# KiCad board gopher_pilot_xiao_sw.kicad_pcb
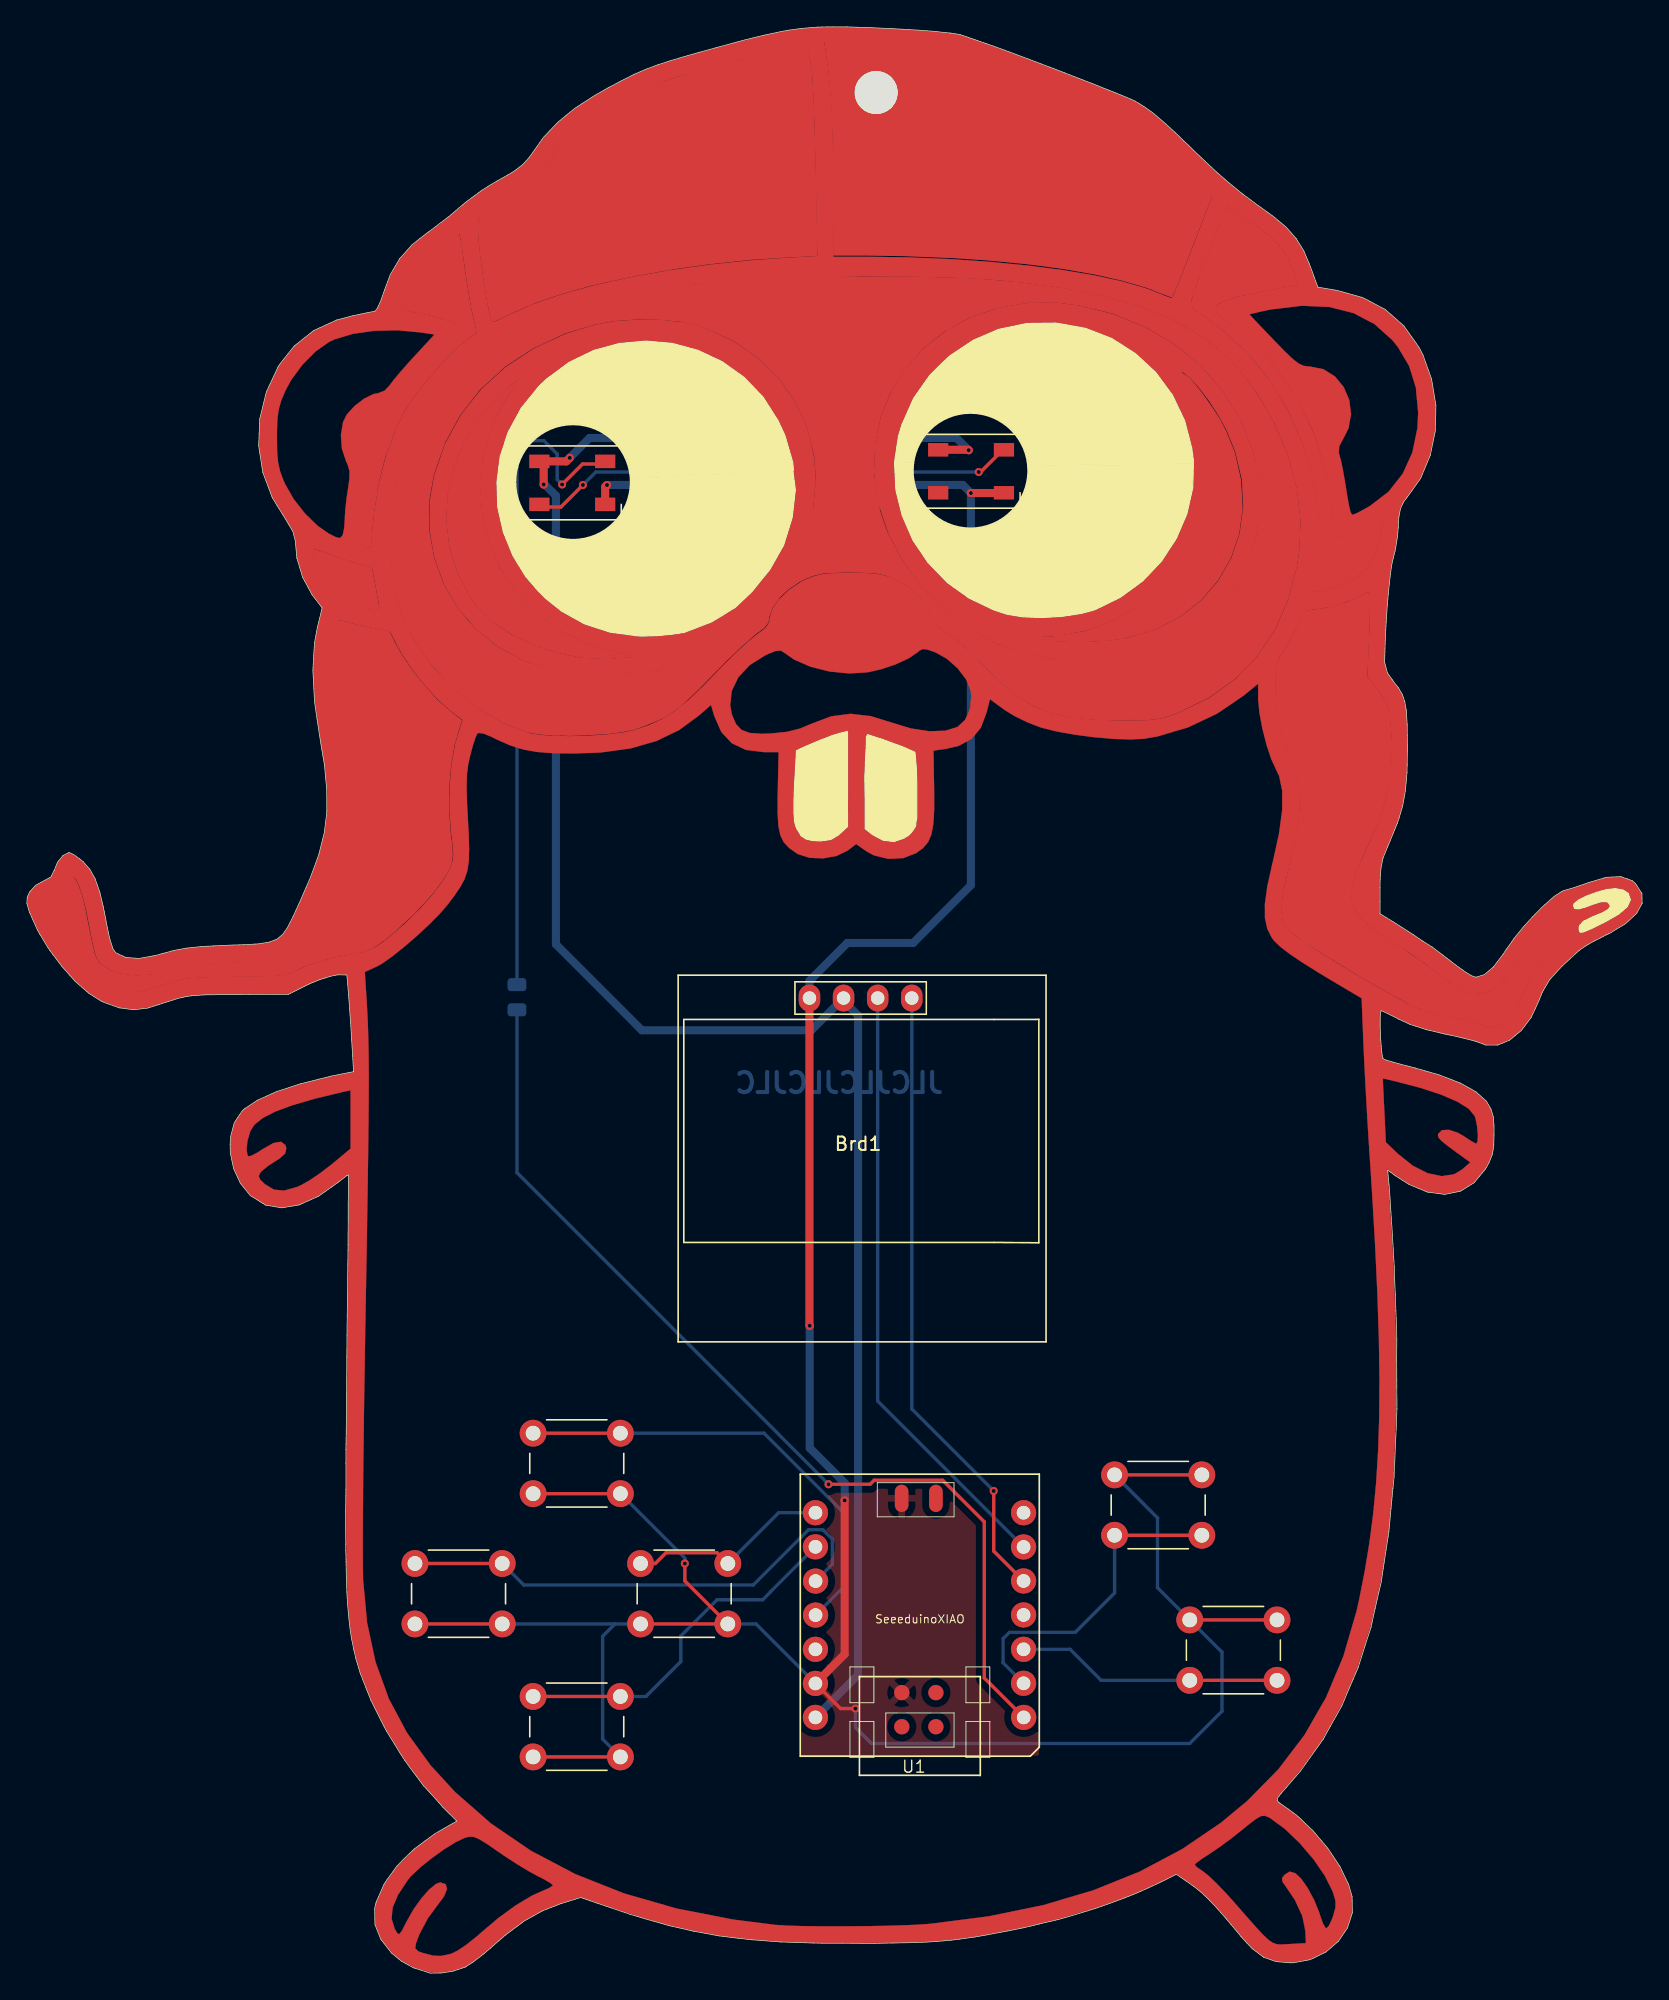
[diagram p0: board, top side]
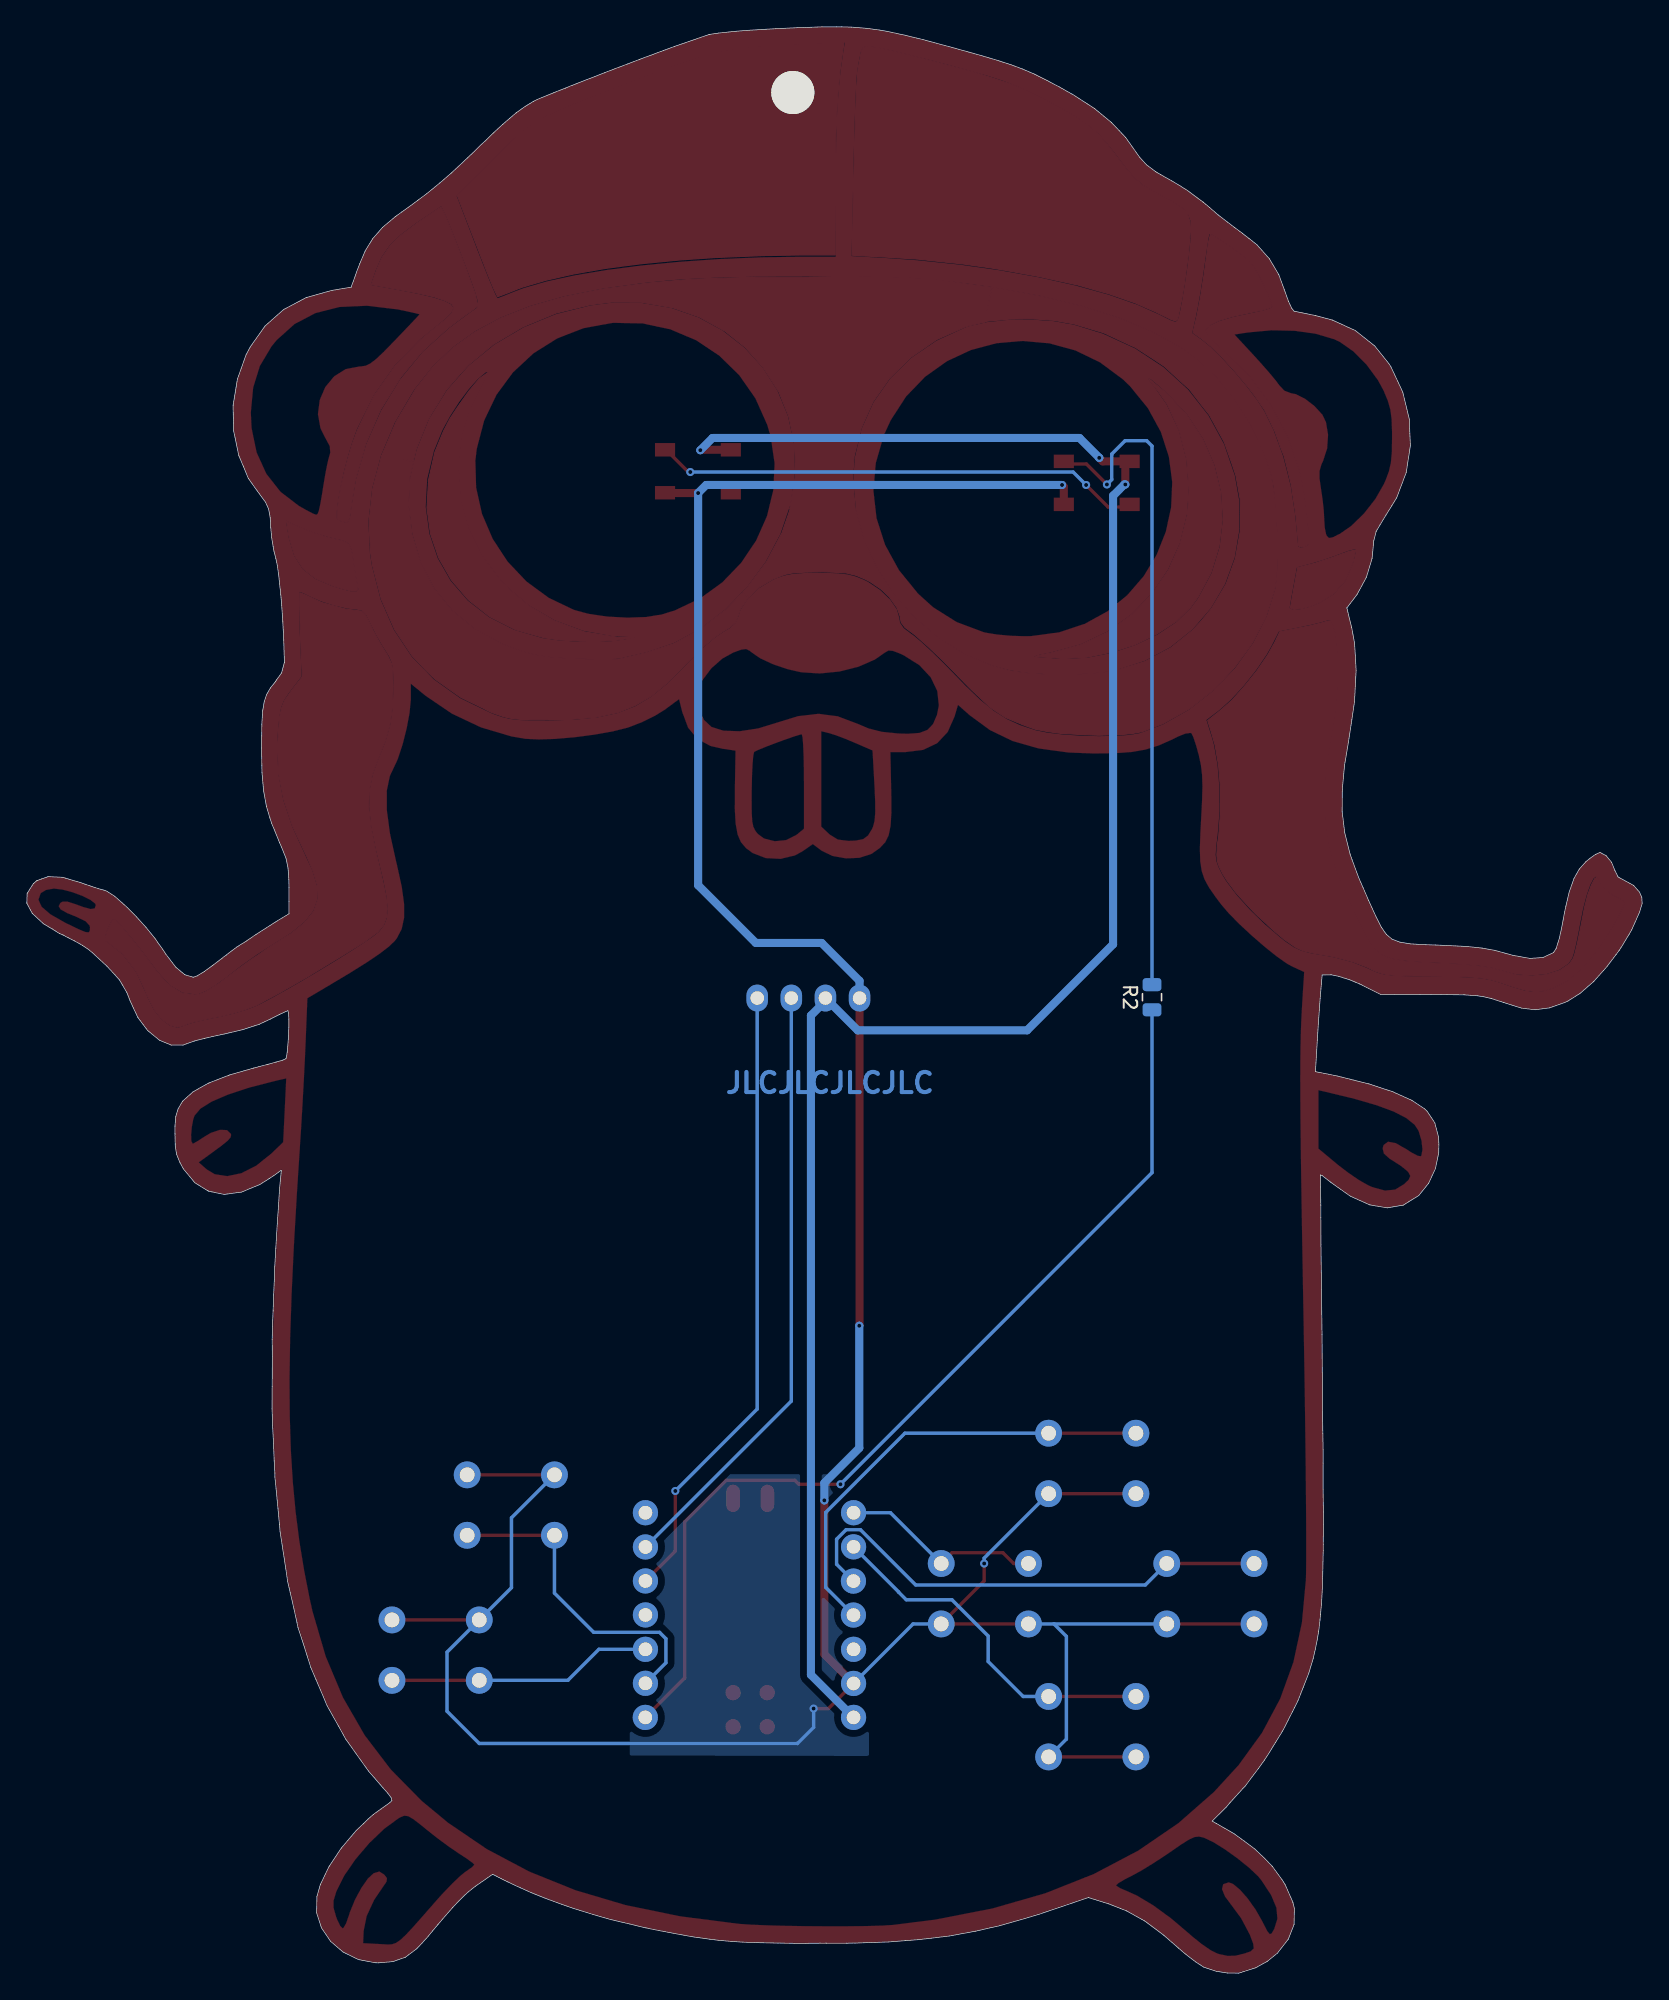
[diagram p1: board, bottom side, seen from below]

Outline 120.29 x 144.91 mm; copper layers: Top, Bottom. Coordinates in mm from the lower left corner of the outline.
Outline path: 0,79.65 0.03,80.11 0.2,80.49 0.64,80.99 1.69,81.56 1.79,81.61 1.91,81.86 2.02,82.07 2.28,82.71 2.69,83.21 3.12,83.43 3.16,83.43 3.48,83.29 3.94,82.96 4.2,82.74 4.69,82.19 5.08,81.49 5.43,80.5 5.68,79.44 5.77,79.01 6,77.81 6.17,77.03 6.41,76.27 6.61,75.98 7.38,75.62 8.35,75.55 9.61,75.78 10.96,76.15 11.92,76.32 12.96,76.43 13.26,76.45 13.89,76.48 15.38,76.55 16.14,76.57 17.03,76.62 17.23,76.63 18.03,76.76 18.62,76.98 19.05,77.34 19.42,77.87 19.82,78.66 20.36,79.84 20.79,80.83 21.12,81.59 21.61,82.92 21.75,83.32 22.15,84.92 22.34,86.46 22.33,88.12 22.16,89.96 21.88,91.62 21.62,93.31 21.42,94.68 21.33,96.44 21.3,96.99 21.36,98.09 21.42,99.04 21.57,99.86 21.63,100.17 21.99,101.65 21.24,102.63 20.54,103.92 20.11,105.34 19.99,106.63 19.81,107.34 19.52,107.83 19.08,108.56 18.64,109.26 18.28,109.85 17.57,111.73 17.26,113.73 17.3,114.63 17.34,115.71 17.83,117.72 18.71,119.6 18.88,119.86 19.92,121.16 21.36,122.3 23.06,123.08 24.34,123.42 25.33,123.62 25.92,123.74 26.1,123.96 26.34,124.48 26.66,125.38 27.06,126.46 27.77,127.66 28.68,128.68 29.28,129.16 29.77,129.54 30.35,129.97 30.86,130.36 31.59,130.92 32.2,131.45 32.69,131.86 33.86,132.73 34.42,133.08 35.04,133.45 35.84,133.9 36.23,134.13 36.91,134.64 37.42,135.2 38.46,136.67 38.95,137.19 39.53,137.8 40.78,138.83 41.35,139.2 42.28,139.8 42.45,139.9 43.39,140.43 44.3,140.91 45.25,141.39 46.14,141.77 46.97,142.08 47.28,142.18 47.95,142.4 49.2,142.77 50.13,143.03 51.35,143.37 53.58,143.97 54.9,144.29 56.2,144.57 56.77,144.67 57.74,144.8 58.86,144.89 59.62,144.91 61.07,144.91 61.89,144.88 62.88,144.85 64.56,144.77 65.29,144.73 66.63,144.65 67.52,144.58 68.76,144.45 69.43,144.35 69.54,144.32 72.06,143.45 72.9,143.14 73.82,142.8 74.65,142.49 75.54,142.15 76.5,141.79 77.28,141.49 78.04,141.19 78.77,140.91 79.67,140.56 80.21,140.34 80.57,140.2 81.07,140 82.26,139.51 82.55,139.37 83.19,138.98 83.85,138.51 84.33,138.1 84.84,137.66 85.55,137.01 86.17,136.4 86.44,136.16 86.96,135.64 87.47,135.16 88.2,134.47 88.7,134.01 89.26,133.52 89.53,133.29 90.52,132.48 91.18,131.99 91.57,131.7 92.36,131.13 92.86,130.77 93.81,129.97 94.54,129.13 95.1,128.22 95.5,127.27 95.75,126.62 95.84,126.35 96.14,125.53 97.6,125.28 99.49,124.75 101.17,123.86 102.55,122.64 103.66,121.07 103.97,120.48 104.61,118.68 104.93,116.74 104.92,116.04 104.9,115.42 104.89,114.83 104.51,113 104.17,112.2 103.8,111.3 103.12,110.34 102.51,109.51 102.29,109.02 102.17,108.39 102.13,107.66 102.06,106.91 101.95,106.22 101.89,105.88 101.75,105.34 101.64,104.83 101.54,104.12 101.47,103.47 101.38,102.63 101.31,101.82 101.23,100.61 101.19,99.87 101.16,99.26 101.11,97.6 101.32,96.81 101.67,96.32 101.79,96.14 102.15,95.69 102.43,95.21 102.61,94.68 102.71,94.1 102.73,93.98 102.79,92.99 102.8,92.14 102.81,91.23 102.79,89.93 102.78,89.38 102.71,88.61 102.66,88.03 102.45,86.88 102.19,86.01 102.06,85.61 101.86,85.13 101.47,84.17 101.32,83.83 100.99,83.01 100.84,82.28 100.78,81.44 100.77,80.84 100.77,78.87 101.73,78.29 103.23,77.33 103.95,76.84 104.65,76.4 105,76.14 105.46,75.79 105.77,75.55 106.45,75.03 107.08,74.57 107.61,74.25 107.9,74.15 108.53,74.34 109.2,74.9 109.94,75.87 110.17,76.22 110.56,76.76 110.74,77.03 111.43,77.88 112.12,78.64 112.8,79.33 113.07,79.58 113.75,80.18 114.31,80.54 114.5,80.62 114.94,80.74 115.64,80.97 116.27,81.19 117.42,81.53 117.62,81.59 118.68,81.64 118.73,81.63 119.19,81.47 119.52,81.35 119.56,81.33 119.81,81.11 120.25,80.42 120.27,80.38 120.29,79.69 120.29,79.66 120.22,79.53 119.89,78.91 119.06,78.14 118.41,77.75 117.88,77.42 117.6,77.3 117.21,77.09 116.77,76.87 116.37,76.65 116.13,76.51 115.7,76.22 115.4,75.97 114.86,75.47 114.33,74.98 113.71,74.31 113.4,73.96 112.85,73.03 112.6,72.39 112.34,71.83 112.02,71.15 111.3,70.19 110.41,69.46 109.54,69.1 108.66,69.1 107.82,69.4 107.08,69.59 106.13,69.81 105.6,69.92 104.24,70.24 103,70.64 102.18,71.02 101.81,71.21 101.45,71.39 101.17,71.52 101.03,71.59 100.85,71.66 100.8,71.48 100.78,71.03 100.78,70.44 100.81,69.76 100.82,69.53 100.86,69.02 100.87,68.8 100.9,68.59 100.94,68.29 101,68.08 101.26,67.97 101.74,67.83 102.35,67.66 103.01,67.49 103.39,67.39 104.12,67.18 105.17,66.88 105.25,66.85 106.72,66.28 106.77,66.26 107.61,65.79 107.92,65.61 108.66,64.95 108.71,64.89 109.03,64.34 109.2,63.78 109.26,63.07 109.26,62.48 109.24,61.69 109.24,61.58 109.13,60.94 108.88,60.33 108.63,59.88 107.78,58.85 106.81,58.25 106.75,58.22 105.59,57.98 104.31,58.15 102.95,58.71 102.25,59.15 101.9,59.38 101.56,59.63 101.4,59.75 101.34,59.77 101.48,58.29 101.55,57.12 101.64,55.81 101.75,53.98 101.83,52.58 101.86,51.63 101.91,50.5 101.95,49.35 102,48.16 102.02,47.16 102.01,45.91 102.02,43.69 102.03,42.03 101.99,40.79 101.92,39.42 101.87,38.13 101.82,37.23 101.82,36.95 101.73,36.08 101.65,35.23 101.59,34.6 101.48,33.42 101.43,32.86 101.18,31.24 101.01,30.13 100.87,29.16 100.68,28.35 100.4,27.13 100.17,26.08 100.1,25.74 99.67,24.43 99.4,23.57 99.14,22.75 98.77,21.89 98.44,21.12 97.93,19.91 97.07,18.38 96.54,17.42 94.85,15.05 94.25,14.36 93.77,13.8 93.41,13.4 93.14,13.03 93.11,12.84 93.26,12.69 93.91,12.23 94.5,11.8 94.88,11.47 95.2,11.15 95.77,10.61 96.39,9.88 96.88,9.3 97.73,8.02 97.79,7.93 98.44,6.58 98.69,5.7 98.71,4.49 98.35,3.37 97.67,2.37 96.74,1.57 95.59,1.01 94.3,0.77 94.07,0.77 93.02,0.86 92.11,1.18 91.26,1.81 90.86,2.24 90.42,2.72 90.08,3.14 89.68,3.61 89.33,4.03 88.91,4.51 88.57,4.9 88.12,5.37 87.78,5.71 87.44,6.03 86.9,6.46 85.6,7.36 84.95,7.03 84.49,6.8 83.52,6.35 82.74,6 81.75,5.6 80.44,5.12 79.61,4.83 77.89,4.3 76.8,3.99 75.39,3.66 74.33,3.4 73.25,3.18 71.61,2.87 70.6,2.69 69.45,2.53 68.82,2.45 67.79,2.36 66.99,2.31 65.91,2.27 64.36,2.24 63.14,2.22 62.31,2.22 60.77,2.23 59.22,2.23 58.61,2.24 57.12,2.29 56.15,2.32 54.84,2.42 53.93,2.49 52.95,2.6 51.56,2.77 49.65,3.12 47.85,3.53 46.02,4.05 44.92,4.38 42.55,5.18 41.24,5.63 40.82,5.5 39.76,5.17 38.83,4.81 38.38,4.63 37.25,4 37.05,3.89 36.18,3.24 35.62,2.82 34.51,1.85 34.02,1.43 33.25,0.84 32.65,0.45 31.72,0.14 30.88,0.01 30.04,0 28.78,0.4 27.91,0.88 27.16,1.49 26.35,2.53 25.92,3.63 25.9,4.82 26.01,5.28 26.6,6.62 26.82,6.96 27.55,7.96 28.11,8.54 28.84,9.24 29.63,9.83 30.4,10.39 31.09,10.79 31.72,11.15 32.02,11.32 30.99,12.34 30.7,12.68 29.74,13.74 29.55,13.94 29.06,14.6 28.59,15.22 28.15,15.83 27.76,16.43 27.32,17.15 26.8,17.99 26.61,18.34 26.37,18.82 26.03,19.49 25.63,20.29 25.23,21.3 24.82,22.35 24.5,23.42 24.34,24.12 24.2,24.81 24.09,25.45 23.99,26.3 23.95,26.72 23.88,27.5 23.83,28.37 23.79,29.52 23.77,30.66 23.75,31.46 23.75,31.9 23.74,33.42 23.74,34.34 23.76,36 23.76,39 23.78,40.15 23.8,41.79 23.84,47.52 23.88,50.9 23.92,54.23 23.93,56.28 23.93,57.19 23.95,58.55 23.96,59.43 23.81,59.37 23.21,58.9 21.73,57.85 20.28,57.2 18.98,56.98 17.79,57.18 16.64,57.89 15.9,58.81 15.4,59.89 15.15,61.06 15.14,61.72 15.16,62.24 15.44,63.3 15.71,63.72 16.03,64.19 16.2,64.35 17.16,64.99 18.58,65.63 20.35,66.21 22.67,66.79 23.66,66.99 24.33,67.12 24.19,69.46 24.11,70.75 24.04,71.73 23.98,72.56 23.89,73.64 23.83,74.32 23.14,74.33 22.6,74.22 21.78,73.96 21.03,73.65 19.47,72.87 16.59,72.87 15.01,72.86 13.25,72.84 12.27,72.77 11.82,72.7 11.24,72.57 10.34,72.28 8.98,71.85 7.97,71.73 6.89,71.87 5.78,72.26 5.52,72.38 4.63,72.94 3.6,73.84 2.87,74.66 2.6,74.97 1.94,75.84 1.71,76.15 1.58,76.34 0.97,77.35 0.78,77.68 0.19,79 0,79.65

## Placement (name value [footprint] x y rotation side)
Brd1  SSD1306  [128x64OLED]  61.9 62 0 top
D1  WS2812B  [LED_WS2812B_PLCC4_5.0x5.0mm_P3.2mm]  40.62 110.96 0 top
D2  WS2812B  [LED_WS2812B_PLCC4_5.0x5.0mm_P3.2mm]  70.32 111.82 0 top
G***  LOGO  [gopher_pilot_v2]  60.05 72.58 0 top
R2  330  [R_0805_2012Metric]  36.5 72.66 90 bottom
REF**  -  [MountingHole_3.2mm_M3]  63.25 140.02 0 top
SW1  SW_Push  [SW_PUSH_6mm_H4.3mm]  37.7 40.2 0 top
SW2  SW_Push  [SW_PUSH_6mm_H4.3mm]  28.9 30.5 0 top
SW3  SW_Push  [SW_PUSH_6mm_H4.3mm]  37.7 20.6 0 top
SW4  SW_Push  [SW_PUSH_6mm_H4.3mm]  45.7 30.5 0 top
SW5  SW_Push  [SW_PUSH_6mm_H4.3mm]  81 37.1 0 top
SW6  SW_Push  [SW_PUSH_6mm_H4.3mm]  86.6 26.3 0 top
U1  SeeeduinoXIAO  [Seeeduino XIAO-MOUDLE14P-2.54-21X17.8MM_PinSocket]  75.4 37.15 180 top

## Library data of the parts
Brd1 = -: ki_fp_filters: SSD1306-128x64_OLED:SSD1306
D1 D2 = -: Datasheet: https://cdn-shop.adafruit.com/datasheets/WS2812B.pdf; ki_fp_filters: LED*WS2812*PLCC*5.0x5.0mm*P3.2mm*
R2 = -: ki_fp_filters: R_*
SW1-SW6 = -: Description: Push button switch, generic, two pins

## Footprints (pads in the part's own frame, mm; a bottom-side part is the same pattern mirrored in y, then rotated)
128x64OLED
  oval 1.6x2 hole 1: 1(-3.62,10.6) 2(-1.08,10.6) 3(1.46,10.6) 4(4,10.6)
LED_WS2812B_PLCC4_5.0x5.0mm_P3.2mm
  rect 1.5x1 smd: 1(-2.45,1.6) 2(-2.45,-1.6) 3(2.45,-1.6) 4(2.45,1.6)
MountingHole_3.2mm_M3
  round 3.2 hole 3.2 unplated: (0,0)
R_0805_2012Metric
  rrect 0.975x1.4 smd: 1(-0.938,0) 2(0.938,0)
Seeeduino XIAO-MOUDLE14P-2.54-21X17.8MM_PinSocket
  round 1.88 hole 1.016: 1(1.16,18.11) 2(1.17,15.57) 3(1.17,13.04) 4(1.17,10.48) 5(1.17,7.95) 6(1.17,5.42) 7(1.17,2.87) 8(16.67,2.87) 9(16.67,5.41) 10(16.66,7.96) 11(16.66,10.49) 12(16.67,13.04) 13(16.67,15.58) 14(16.67,18.11)
  oval 1.016x2.032 smd: 15(7.7,1.8) 16(10.25,1.8)
  round 1.143 smd: 17(7.699,18.804) 18(10.239,18.804) 19(7.699,16.264) 20(10.239,16.264)
SW_PUSH_6mm_H4.3mm
  round 2 hole 1.1: 1(0,0) 1(6.5,0) 2(0,-4.5) 2(6.5,-4.5)

## Nets
GND: Brd1.1 D1.3 D2.3 SW1.2 SW2.2 SW3.2 SW4.2 SW5.1 SW6.1 U1.13 U1.16 U1.20
VCC: Brd1.2 D1.1 D2.1 U1.14 U1.15
/PA02: R2.1 U1.1
Net-(Brd1-SCL): Brd1.3 U1.6
Net-(Brd1-SDA): Brd1.4 U1.5
Net-(D1-DIN): D1.4 R2.2
Net-(D1-DOUT): D1.2 D2.4
Net-(U1-PA4_A1_D1): SW5.2 U1.2
Net-(U1-PA5_A9_D9_MISO): SW2.1 U1.10
Net-(U1-PA6_A10_D10_MOSI): SW1.1 U1.11
Net-(U1-PA7_A8_D8_SCK): SW3.1 U1.9
Net-(U1-PA10_A2_D2): SW6.2 U1.3
Net-(U1-PB09_A7_D7_RX): SW4.1 U1.8

Pads without a net: D2 2; U1 4 7 12 17 18 19

## Via types
v1: diameter 0.6, hole 0.3, Top to Bottom, 14 vias

## Routing (per net, layer and track width the routed paths; a pad name or vN(x,y) marks a point on that pad's centre or on a via; arc(x,y) is an arc through that point)
GND: length 266.4
  Top w0.2: 64.93,20.89 U1.20
  Top w0.25: v1(61.7,19.7) 60.59,19.7 58.72,21.57 ; SW1.2 SW1.2 ; SW5.1 SW5.1 ; v1(49,30.5) 49,29.2 SW4.2 SW4.2 ; SW3.2 SW3.2 ; SW6.1 SW6.1 ; SW2.2 SW2.2
  Top w0.4: 65.14,20.9 U1.20
  Top w0.6: 58.72,21.57 60.9,23.75 v1(60.9,35.2) ; Brd1.1 58.28,48.22 v1(58.3,48.2) ; D2.3 72.74,110.2 v1(70.3,110.2) ; v1(43.2,110.8) 43.07,110.67 D1.3
  Bottom w0.25: SW4.2 54.3,26 58.72,21.57 ; SW2.2 43.8,26 ; 43.8,26 SW4.2 ; 43.8,26 42.88,25.08 42.88,17.43 SW3.2 ; v1(61.7,19.7) 61.7,18.3 62.9,17.1 86.6,17.1 89,19.5 89,23.9 SW6.1 84.2,28.7 84.2,33.9 SW5.1 ; SW1.2 49,30.9 v1(49,30.5)
  Bottom w0.6: v1(60.9,35.2) 60.9,36.5 58.3,39.1 v1(58.3,48.2) ; Brd1.1 58.28,73.88 61.1,76.7 66,76.7 70.3,81 v1(70.3,110.2) 69.7,110.8 v1(43.2,110.8)
VCC: length 152.3
  Top w0.6: D2.1 70.11,113.42 v1(70.14,113.39) ; v1(40.43,112.82) 40.17,112.56 D1.1 38.49,112.24 v1(38.49,110.84)
  Bottom w0.6: 58.72,19.04 61.9,22.22 61.9,71.3 60.82,72.38 Brd1.2 58.42,70.2 45.8,70.2 39.4,76.6 39.4,110 38.56,110.84 v1(38.49,110.84) ; v1(40.43,112.82) 40.43,112.83 41.9,114.3 69.23,114.3 v1(70.14,113.39)
/PA02: length 73.7
  Top w0.25: v1(59.7,36.4) 62.8,36.4 63.1,36.7 68.2,36.7 71.3,33.6 71.3,21.98 U1.1
  Bottom w0.25: v1(59.7,36.4) 36.5,59.6 R2.1
Net-(Brd1-SCL): length 45.4
  Bottom w0.25: Brd1.3 63.36,42.59 74.22,31.73
Net-(Brd1-SDA): length 46.9
  Top w0.25: 74.22,29.2 72,31.43 v1(72,35.9)
  Bottom w0.2: 74.21,29.18 74.22,29.2
  Bottom w0.25: Brd1.4 65.9,42 v1(72,35.9)
Net-(D1-DIN): length 50.3
  Top w0.25: v1(39.86,110.84) 41.38,112.36 43.39,112.36
  Bottom w0.25: v1(39.86,110.84) 39.5,111.2 39.5,113.1 38.5,114.1 36.9,114.1 36.5,113.7 R2.2
Net-(D1-DOUT): length 35.9
  Top w0.25: v1(70.89,111.77) 71.03,111.77 72.65,113.39 ; 38.49,109.16 39.77,109.16 v1(41.41,110.8)
  Bottom w0.25: v1(41.41,110.8) 42.37,111.77 v1(70.89,111.77)
Net-(U1-PA4_A1_D1): length 24.5
  Top w0.25: SW5.2 SW5.2
  Bottom w0.25: SW5.2 81,28.3 78.07,25.37 73.17,25.37 72.7,24.9 72.7,23.11 74.22,21.58
Net-(U1-PA5_A9_D9_MISO): length 37.4
  Top w0.25: SW2.1 SW2.1
  Bottom w0.25: SW2.1 37,28.9 54.1,28.9 58.21,33.02 59.28,33.02 59.99,32.31 59.99,30.44 U1.10
Net-(U1-PA6_A10_D10_MOSI): length 34
  Top w0.25: SW1.1 SW1.1
  Bottom w0.25: SW1.1 54.9,40.2 60.8,34.3 60.8,28.73 U1.11
Net-(U1-PA7_A8_D8_SCK): length 26.8
  Top w0.25: SW3.1 SW3.1
  Bottom w0.25: 58.72,31.74 55.39,28.4 55.39,28.39 54.8,27.8 51.4,27.8 48.7,25.1 48.7,23.2 46.1,20.6 SW3.1
Net-(U1-PA10_A2_D2): length 19.8
  Top w0.25: SW6.2 SW6.2
  Bottom w0.25: 74.22,24.11 77.69,24.11 80,21.8 SW6.2
Net-(U1-PB09_A7_D7_RX): length 15.3
  Top w0.25: SW4.1 46.8,30.5 47.6,31.3 51.4,31.3 SW4.1
  Bottom w0.25: 58.72,34.28 55.98,34.28 SW4.1

## Copper pours and planes (outline as drawn; the poured copper is in the pictures)
GND on Top: 75.38,37.13 75.38,16.19 57.58,16.16 57.58,37.16
GND on Bottom: 75.4,37.15 75.4,16.2 57.58,16.17 57.58,37.15

## Text on the board
Bottom: JLCJLCJLCJLC
